# KiCad board psc_daughter_brd.kicad_pcb
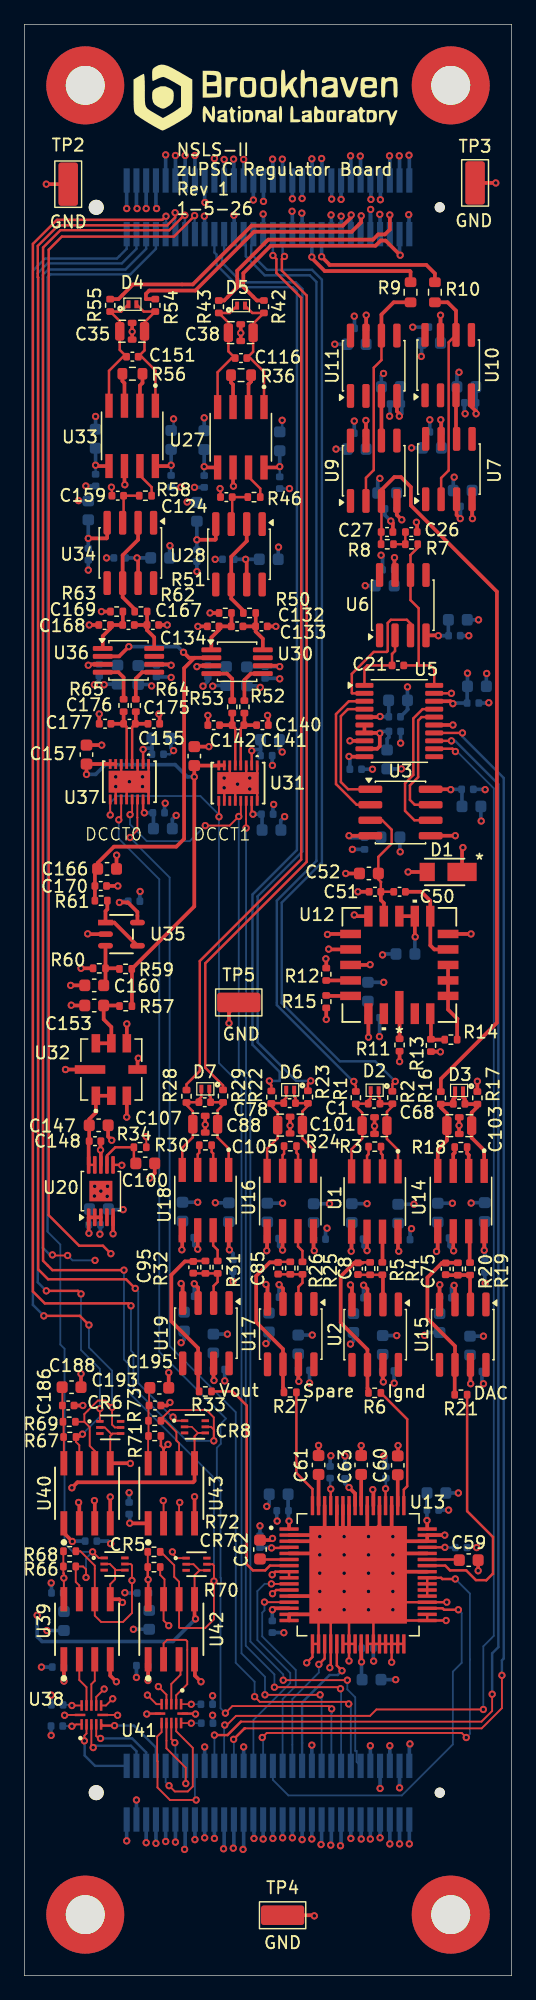
[diagram p0: board, top side]
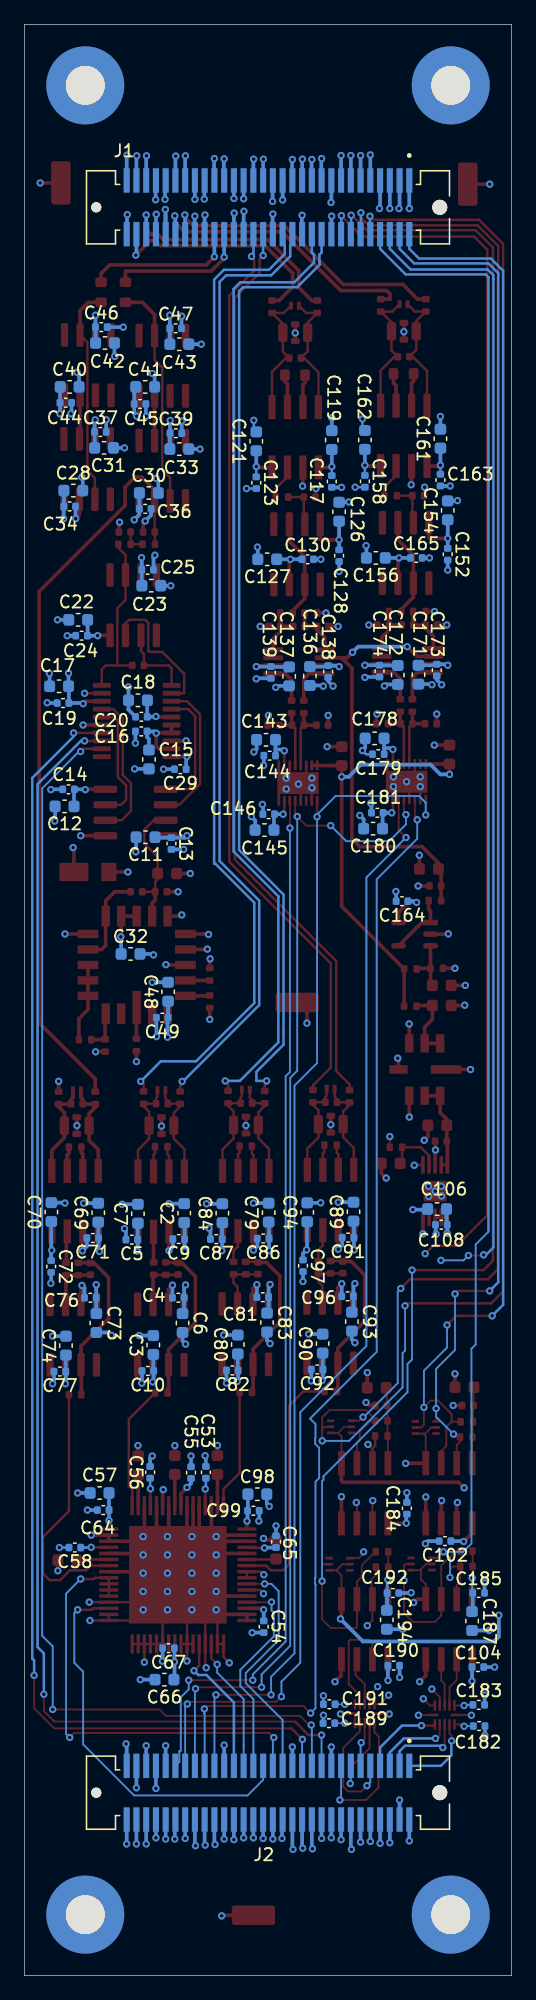
[diagram p1: board, bottom side, seen from below]

Outline 40 x 160 mm; copper layers: F.Cu - L1-sig, In1.Cu - L2-gnd (plane), In2.Cu - L3-sig, In3.Cu - L4-gnd (plane), In4.Cu - L5-pwr (plane), In5.Cu - L6-pwr, In6.Cu - L7-gnd (plane), In7.Cu - L8-sig, In8.Cu - L9-gnd, B.Cu - L10-sig. Coordinates in mm from the lower left corner of the outline.
Outline path: 0,160 40,160 40,0 0,0 0,160
Stack: F.Cu - L1-sig 0.035mm / dielectric 0.1mm FR4 er 4.5 / In1.Cu - L2-gnd 0.035mm / dielectric 0.1825mm FR4 er 4.5 / In2.Cu - L3-sig 0.035mm / dielectric 0.1mm FR4 er 4.5 / In3.Cu - L4-gnd 0.035mm / dielectric 0.1825mm FR4 er 4.5 / In4.Cu - L5-pwr 0.035mm / dielectric 0.1mm FR4 er 4.5 / In5.Cu - L6-pwr 0.035mm / dielectric 0.1825mm FR4 er 4.5 / In6.Cu - L7-gnd 0.035mm / dielectric 0.1mm FR4 er 4.5 / In7.Cu - L8-sig 0.035mm / dielectric 0.1825mm FR4 er 4.5 / In8.Cu - L9-gnd 0.035mm / dielectric 0.1mm FR4 er 4.5 / B.Cu - L10-sig 0.035mm

## Placement (name value [footprint] x y rotation side)
C1  220pF  [C_0402_1005Metric]  28.71 71.5 0 top
C2  10uF  [C_0603_1608Metric]  26.88 62.53 90 bottom
C3  10uF  [C_0603_1608Metric]  29.41 51.71 90 bottom
C4  0.1uF  [C_0402_1005Metric]  27.37 55.59 0 bottom
C5  0.1uF  [C_0402_1005Metric]  31.18 60.35 0 bottom
C6  10uF  [C_0603_1608Metric]  27.01 53.51 270 bottom
C7  10uF  [C_0603_1608Metric]  30.68 62.47 90 bottom
C8  4700pF  [C_0402_1005Metric]  27.38 57.97 90 top
C9  0.1uF  [C_0402_1005Metric]  27.33 60.4 0 bottom
C10  0.1uF  [C_0402_1005Metric]  29.87 49.59 0 bottom
C11  10uF  [C_0603_1608Metric]  30.05 93.35 0 bottom
C12  10uF  [C_0603_1608Metric]  36.7 95.88 0 bottom
C13  0.1uF  [C_0402_1005Metric]  27.93 92.83 270 bottom
C14  0.1uF  [C_0402_1005Metric]  36.38 97.28 0 bottom
C15  10uF  [C_0603_1608Metric]  29.78 99.72 270 bottom
C16  0.1uF  [C_0402_1005Metric]  30.41 102.03 0 bottom
C17  10uF  [C_0603_1608Metric]  37.15 105.72 0 bottom
C18  10uF  [C_0603_1608Metric]  30.68 104.58 0 bottom
C19  0.1uF  [C_0402_1005Metric]  36.82 104.35 0 bottom
C20  0.1uF  [C_0402_1005Metric]  30.4 103.22 0 bottom
C21  10pF  [C_0402_1005Metric]  30.66 107.43 180 top
C22  10uF  [C_0603_1608Metric]  35.58 111.17 0 bottom
C23  10uF  [C_0603_1608Metric]  29.58 113.97 180 bottom
C24  0.1uF  [C_0402_1005Metric]  35.3 109.88 0 bottom
C25  0.1uF  [C_0402_1005Metric]  29.88 115.28 180 bottom
C26  10pF  [C_0402_1005Metric]  31.76 118.38 0 top
C27  10pF  [C_0402_1005Metric]  29.77 118.38 0 top
C28  10uF  [C_0603_1608Metric]  35.98 121.78 180 bottom
C29  0.1uF  [C_0402_1005Metric]  27.2 98.92 0 bottom
C30  10uF  [C_0603_1608Metric]  29.78 121.58 180 bottom
C31  10uF  [C_0603_1608Metric]  33.46 125.28 180 bottom
C32  1uF  [C_0603_1608Metric]  31.28 83.78 180 bottom
C33  10uF  [C_0603_1608Metric]  27.28 125.17 180 bottom
C34  0.1uF  [C_0402_1005Metric]  36.28 120.47 180 bottom
C35  2200pF  [EMCT101W222M1GV001E]  8.85 134.84 180 top
C36  0.1uF  [C_0402_1005Metric]  30.08 120.28 180 bottom
C37  0.1uF  [C_0402_1005Metric]  33.76 126.58 180 bottom
C38  2200pF  [EMCT101W222M1GV001E]  17.76 134.72 180 top
C39  0.1uF  [C_0402_1005Metric]  27.56 126.47 180 bottom
C40  10uF  [C_0603_1608Metric]  36.28 130.28 180 bottom
C41  10uF  [C_0603_1608Metric]  30.08 130.28 180 bottom
C42  10uF  [C_0603_1608Metric]  33.38 133.88 180 bottom
C43  10uF  [C_0603_1608Metric]  27.28 133.78 180 bottom
C44  0.1uF  [C_0402_1005Metric]  36.6 128.97 180 bottom
C45  0.1uF  [C_0402_1005Metric]  30.5 128.88 180 bottom
C46  0.1uF  [C_0402_1005Metric]  33.68 135.18 180 bottom
C47  0.1uF  [C_0402_1005Metric]  27.58 135.07 180 bottom
C48  10uF  [C_0603_1608Metric]  28.2 80.67 90 bottom
C49  0.1uF  [C_0402_1005Metric]  28.68 78.55 0 bottom
C50  0.1uF  [C_0402_1005Metric]  30.8 88.88 0 top
C51  0.1uF  [C_0402_1005Metric]  28.78 88.88 180 top
C52  10uF  [C_0603_1608Metric]  28.28 90.38 180 top
C53  0.1uF  [C_0402_1005Metric]  25.1 41.27 90 bottom
C54  0.1uF  [C_0402_1005Metric]  20.35 28.61 270 bottom
C55  0.1uF  [C_0402_1005Metric]  26.32 41.25 90 bottom
C56  0.1uF  [C_0402_1005Metric]  29.68 41.27 90 bottom
C57  10uF  [C_0603_1608Metric]  33.82 39.57 0 bottom
C58  0.1uF  [C_0402_1005Metric]  35.85 35.1 0 bottom
C59  10uF  [C_0603_1608Metric]  36.47 34.07 0 top
C60  10uF  [C_0603_1608Metric]  30.65 41.84 90 top
C61  10uF  [C_0603_1608Metric]  24.15 41.87 90 top
C62  10uF  [C_0603_1608Metric]  19.34 34.94 90 top
C63  10uF  [C_0603_1608Metric]  27.65 41.87 90 top
C64  0.1uF  [C_0402_1005Metric]  33.53 38.18 0 bottom
C65  0.1uF  [C_0402_1005Metric]  19.34 35.58 90 bottom
C66  10uF  [C_0603_1608Metric]  28.5 24.27 0 bottom
C67  0.1uF  [C_0402_1005Metric]  28.17 26.85 0 bottom
C68  220pF  [C_0402_1005Metric]  35.69 71.48 0 top
C69  10uF  [C_0603_1608Metric]  33.94 62.56 90 bottom
C70  10uF  [C_0603_1608Metric]  37.78 62.61 90 bottom
C71  0.1uF  [C_0402_1005Metric]  34.38 60.49 0 bottom
C72  0.1uF  [C_0402_1005Metric]  37.8 58.15 270 bottom
C73  10uF  [C_0603_1608Metric]  34.09 53.51 270 bottom
C74  10uF  [C_0603_1608Metric]  36.59 51.66 90 bottom
C75  4700pF  [C_0402_1005Metric]  34.59 57.96 90 top
C76  0.1uF  [C_0402_1005Metric]  34.59 55.59 0 bottom
C77  0.1uF  [C_0402_1005Metric]  37.09 49.53 0 bottom
C78  220pF  [C_0402_1005Metric]  21.78 71.54 0 top
C79  10uF  [C_0603_1608Metric]  19.94 62.57 90 bottom
C80  10uF  [C_0603_1608Metric]  22.48 51.75 90 bottom
C81  0.1uF  [C_0402_1005Metric]  20.43 55.63 0 bottom
C82  0.1uF  [C_0402_1005Metric]  22.93 49.63 0 bottom
C83  10uF  [C_0603_1608Metric]  20.08 53.55 270 bottom
C84  10uF  [C_0603_1608Metric]  23.75 62.52 90 bottom
C85  4700pF  [C_0402_1005Metric]  20.83 58.01 90 top
C86  0.1uF  [C_0402_1005Metric]  20.4 60.44 0 bottom
C87  0.1uF  [C_0402_1005Metric]  24.25 60.39 0 bottom
C88  220pF  [C_0402_1005Metric]  14.81 71.62 0 top
C89  10uF  [C_0603_1608Metric]  12.98 62.64 90 bottom
C90  10uF  [C_0603_1608Metric]  15.51 51.83 90 bottom
C91  0.1uF  [C_0402_1005Metric]  13.43 60.52 0 bottom
C92  0.1uF  [C_0402_1005Metric]  15.97 49.7 0 bottom
C93  10uF  [C_0603_1608Metric]  13.12 53.63 270 bottom
C94  10uF  [C_0603_1608Metric]  16.78 62.59 90 bottom
C95  4700pF  [C_0402_1005Metric]  13.87 58.08 90 top
C96  0.1uF  [C_0402_1005Metric]  13.47 55.7 0 bottom
C97  0.1uF  [C_0402_1005Metric]  17.12 58.21 270 bottom
C98  10uF  [C_0603_1608Metric]  20.88 39.47 180 bottom
C99  0.1uF  [C_0402_1005Metric]  21.2 38.12 180 bottom
C100  10uF  [C_0603_1608Metric]  9.93 66.6 0 top
C101  2200pF  [EMCT101W222M1GV001E]  28.75 69.7 0 top
C102  0.1uF  [C_0402_1005Metric]  5.47 35.63 0 bottom
C103  2200pF  [EMCT101W222M1GV001E]  35.7 69.7 0 top
C104  0.1uF  [C_0402_1005Metric]  2.77 25.3 180 bottom
C105  2200pF  [EMCT101W222M1GV001E]  21.81 69.74 0 top
C106  10uF  [C_0603_1608Metric]  6.12 62.86 0 bottom
C107  2200pF  [EMCT101W222M1GV001E]  14.85 69.82 0 top
C108  0.1uF  [C_0402_1005Metric]  5.77 61.57 0 bottom
C116  3300pF  [C_0402_1005Metric]  17.78 132.64 180 top
C117  0.1uF  [C_0402_1005Metric]  14.76 122.52 270 bottom
C119  10uF  [C_0603_1608Metric]  14.76 125.91 90 bottom
C121  10uF  [C_0603_1608Metric]  20.96 125.81 90 bottom
C123  0.1uF  [C_0402_1005Metric]  20.96 122.42 270 bottom
C124  0.01uF  [C_0402_1005Metric]  16.58 121.24 180 top
C126  10uF  [C_0603_1608Metric]  14.16 120.04 90 bottom
C127  10uF  [C_0603_1608Metric]  20.06 116.14 0 bottom
C128  0.1uF  [C_0402_1005Metric]  14.16 116.44 270 bottom
C130  0.1uF  [C_0402_1005Metric]  16.74 116.14 180 bottom
C132  6800pF  [C_0402_1005Metric]  19.46 110.64 180 top
C133  3300pF  [C_0402_1005Metric]  17.46 110.64 180 top
C134  6800pF  [C_0402_1005Metric]  15.5 110.64 180 top
C136  10uF  [C_0603_1608Metric]  16.56 106.56 270 bottom
C137  10uF  [C_0603_1608Metric]  18.26 106.54 270 bottom
C138  0.1uF  [C_0402_1005Metric]  15.06 106.94 270 bottom
C139  0.1uF  [C_0402_1005Metric]  19.76 106.86 270 bottom
C140  6800pF  [C_0402_1005Metric]  19.54 102.54 180 top
C141  3300pF  [C_0402_1005Metric]  17.54 102.54 180 top
C142  6800pF  [C_0402_1005Metric]  15.54 102.54 180 top
C143  10uF  [C_0603_1608Metric]  20.16 101.34 0 bottom
C144  0.1uF  [C_0402_1005Metric]  19.86 100.04 0 bottom
C145  10uF  [C_0603_1608Metric]  20.29 93.94 0 bottom
C146  0.1uF  [C_0402_1005Metric]  19.94 95.24 0 bottom
C147  10uF  [C_0603_1608Metric]  6.1 69.72 0 top
C148  0.1uF  [C_0402_1005Metric]  5.8 68.42 0 top
C151  3300pF  [C_0402_1005Metric]  8.87 132.75 180 top
C152  0.1uF  [C_0402_1005Metric]  5.25 116.55 270 bottom
C153  10uF  [C_0603_1608Metric]  5.74 79.55 180 top
C154  10uF  [C_0603_1608Metric]  5.25 120.15 90 bottom
C155  10uF  [C_0603_1608Metric]  13.95 100 90 top
C156  10uF  [C_0603_1608Metric]  11.15 116.25 0 bottom
C157  10uF  [C_0603_1608Metric]  5.1 100.12 90 top
C158  0.1uF  [C_0402_1005Metric]  12.05 122.53 270 bottom
C159  0.01uF  [C_0402_1005Metric]  7.67 121.35 180 top
C160  10uF  [C_0603_1608Metric]  5.74 81.2 180 top
C161  10uF  [C_0603_1608Metric]  5.85 126.03 90 bottom
C162  10uF  [C_0603_1608Metric]  12.05 125.93 90 bottom
C163  0.1uF  [C_0402_1005Metric]  5.85 122.63 270 bottom
C164  0.1uF  [C_0402_1005Metric]  9 88.1 0 bottom
C165  0.1uF  [C_0402_1005Metric]  7.83 116.25 180 bottom
C166  10uF  [C_0603_1608Metric]  6.79 90.75 0 top
C167  6800pF  [C_0402_1005Metric]  10.55 110.75 180 top
C168  3300pF  [C_0402_1005Metric]  8.55 110.75 180 top
C169  6800pF  [C_0402_1005Metric]  6.59 110.75 180 top
C170  0.1uF  [C_0402_1005Metric]  6.27 89.35 0 top
C171  10uF  [C_0603_1608Metric]  7.65 106.68 270 bottom
C172  10uF  [C_0603_1608Metric]  9.35 106.65 270 bottom
C173  0.1uF  [C_0402_1005Metric]  6.15 107.05 270 bottom
C174  0.1uF  [C_0402_1005Metric]  10.85 106.97 270 bottom
C175  6800pF  [C_0402_1005Metric]  10.63 102.65 180 top
C176  3300pF  [C_0402_1005Metric]  8.63 102.65 180 top
C177  6800pF  [C_0402_1005Metric]  6.63 102.65 180 top
C178  10uF  [C_0603_1608Metric]  11.25 101.45 0 bottom
C179  0.1uF  [C_0402_1005Metric]  10.95 100.15 0 bottom
C180  10uF  [C_0603_1608Metric]  11.37 94.05 0 bottom
C181  0.1uF  [C_0402_1005Metric]  11.03 95.35 0 bottom
C182  0.1uF  [C_0402_1005Metric]  2.67 20.47 180 bottom
C183  0.1uF  [C_0402_1005Metric]  2.7 22.2 180 bottom
C184  0.1uF  [C_0402_1005Metric]  8.6 38.32 90 bottom
C185  0.1uF  [C_0402_1005Metric]  2.71 31.38 180 bottom
C186  0.1uF  [C_0402_1005Metric]  3.6 46.75 0 top
C187  10uF  [C_0603_1608Metric]  3.25 29.07 270 bottom
C188  10uF  [C_0603_1608Metric]  3.88 48.25 0 top
C189  0.1uF  [C_0402_1005Metric]  15 20.7 0 bottom
C190  0.1uF  [C_0402_1005Metric]  9.68 25.42 180 bottom
C191  0.1uF  [C_0402_1005Metric]  14.97 22.25 0 bottom
C192  0.1uF  [C_0402_1005Metric]  9.74 31.37 180 bottom
C193  0.1uF  [C_0402_1005Metric]  10.72 46.75 0 top
C194  10uF  [C_0603_1608Metric]  10.25 29.18 270 bottom
C195  10uF  [C_0603_1608Metric]  11.07 48.2 0 top
CR5  SP3006-02XTG  [SOT563_LTF]  7.4 33.75 0 top
CR6  SP3006-02XTG  [SOT563_LTF]  7.05 44.95 0 top
CR7  SP3006-02XTG  [SOT563_LTF]  14.13 33.73 0 top
CR8  SP3006-02XTG  [SOT563_LTF]  14 45 0 top
D1  DFLS130-7  [DFLS130-7_DIO]  34.5 90.5 180 top
D2  SP3118-01ETG  [sp3118-01etg]  28.75 72.6 180 top
D3  SP3118-01ETG  [sp3118-01etg]  35.69 72.58 180 top
D4  SP3118-01ETG  [sp3118-01etg]  8.87 137.05 0 top
D5  SP3118-01ETG  [sp3118-01etg]  17.79 136.94 0 top
D6  SP3118-01ETG  [sp3118-01etg]  21.82 72.64 180 top
D7  SP3118-01ETG  [sp3118-01etg]  14.85 72.72 180 top
G***  LOGO  [bnl_logo]  20.77 153.83 0 top
J1  61082-061400LF  [AMPHENOL_61082-061400LF]  20 145 180 bottom
J2  61082-061400LF  [AMPHENOL_61082-061400LF]  20 15 180 bottom
MT1  MountingHole_Pad  [MountingHole_3.2mm_M3_Pad_TopBottom]  5 155 0 top
MT2  MountingHole_Pad  [MountingHole_3.2mm_M3_Pad_TopBottom]  5 5 0 top
MT3  MountingHole_Pad  [MountingHole_3.2mm_M3_Pad_TopBottom]  35 5 0 top
MT4  MountingHole_Pad  [MountingHole_3.2mm_M3_Pad_TopBottom]  35 155 0 top
R1  1.0K  [R_0402_1005Metric]  27.21 71.99 90 top
R2  1.0K  [R_0402_1005Metric]  30.21 72 90 top
R3  10  [R_0402_1005Metric]  28.76 67.97 180 top  (not fitted)
R4  10K  [R_0402_1005Metric]  29.38 57.97 90 top
R5  10K  [R_0402_1005Metric]  28.38 57.97 270 top
R6  10  [R_0402_1005Metric]  28.75 47.78 180 top
R7  5.11K  [R_0402_1005Metric]  31.78 117.38 180 top
R8  5.11K  [R_0402_1005Metric]  29.79 117.38 180 top
R9  100  [R_0603_1608Metric]  31.7 138.03 90 top
R10  100  [R_0603_1608Metric]  33.7 138.03 90 top
R11  120  [R_0402_1005Metric]  30.8 76.31 90 top
R12  10  [R_0402_1005Metric]  24.78 82.11 270 top
R13  63K  [R_0402_1005Metric]  33.38 76.28 90 top  (not fitted)
R14  78.7K  [R_0402_1005Metric]  35.01 76.75 180 top
R15  0  [R_0402_1005Metric]  24.78 79.86 270 top
R16  1.0K  [R_0402_1005Metric]  34.19 71.97 90 top
R17  1.0K  [R_0402_1005Metric]  37.19 71.97 90 top
R18  10  [R_0402_1005Metric]  35.84 67.94 180 top  (not fitted)
R19  10K  [R_0402_1005Metric]  36.59 57.96 90 top
R20  10K  [R_0402_1005Metric]  35.59 57.94 270 top
R21  10  [R_0402_1005Metric]  35.84 47.63 180 top
R22  1.0K  [R_0402_1005Metric]  20.28 72.03 90 top
R23  1.0K  [R_0402_1005Metric]  23.28 72.04 90 top
R24  10  [R_0402_1005Metric]  21.83 68.02 180 top  (not fitted)
R25  10K  [R_0402_1005Metric]  22.83 58.02 90 top
R26  10K  [R_0402_1005Metric]  21.83 58.02 270 top
R27  10  [R_0402_1005Metric]  21.82 47.83 180 top
R28  1.0K  [R_0402_1005Metric]  13.31 72.11 90 top
R29  1.0K  [R_0402_1005Metric]  16.31 72.12 90 top
R30  10  [R_0402_1005Metric]  14.87 68.09 180 top  (not fitted)
R31  10K  [R_0402_1005Metric]  15.87 58.09 90 top
R32  10K  [R_0402_1005Metric]  14.87 58.09 270 top
R33  10  [R_0402_1005Metric]  14.85 47.9 180 top
R34  121K  [R_0402_1005Metric]  9.5 67.92 180 top
R36  665  [R_0603_1608Metric]  17.79 131.24 180 top
R42  1.0K  [R_0402_1005Metric]  19.66 136.85 90 top
R43  1.0K  [R_0402_1005Metric]  15.96 136.85 90 top
R46  1.3K  [R_0402_1005Metric]  18.85 121.24 0 top
R50  10  [R_0402_1005Metric]  18.48 111.74 180 top
R51  15  [R_0402_1005Metric]  16.49 111.74 180 top
R52  30.1  [R_0402_1005Metric]  18.06 104.04 90 top
R53  30.1  [R_0402_1005Metric]  17.06 104.04 90 top
R54  1.0K  [R_0402_1005Metric]  10.75 136.96 90 top
R55  1.0K  [R_0402_1005Metric]  7.05 136.96 90 top
R56  665  [R_0603_1608Metric]  8.87 131.35 180 top
R57  0  [R_0402_1005Metric]  8.32 79.5 180 top
R58  1.3K  [R_0402_1005Metric]  9.94 121.35 0 top
R59  10K  [R_0402_1005Metric]  8.31 82.55 0 top
R60  10K  [R_0402_1005Metric]  6.15 82.6 180 top
R61  10  [R_0402_1005Metric]  6.3 88.15 0 top
R62  10  [R_0402_1005Metric]  9.57 111.85 180 top
R63  15  [R_0402_1005Metric]  7.58 111.85 180 top
R64  30.1  [R_0402_1005Metric]  9.15 104.15 90 top
R65  30.1  [R_0402_1005Metric]  8.15 104.15 90 top
R66  2.49K  [R_0402_1005Metric]  3.71 33.55 180 top
R67  2.49K  [R_0402_1005Metric]  3.73 44.17 180 top
R68  2.49K  [R_0402_1005Metric]  3.72 34.8 180 top
R69  2.49K  [R_0402_1005Metric]  3.68 45.42 180 top
R70  2.49K  [R_0402_1005Metric]  10.64 33.5 180 top
R71  2.49K  [R_0402_1005Metric]  10.7 44.25 180 top
R72  2.49K  [R_0402_1005Metric]  10.64 34.75 180 top
R73  2.49K  [R_0402_1005Metric]  10.7 45.5 180 top
TP2  GND  [TestPoint_RCS-0C]  3.6 146.9 90 top
TP3  GND  [TestPoint_RCS-0C]  37 147 90 top
TP4  GND  [TestPoint_RCS-0C]  21.2 4.95 0 top
TP5  GND  [TestPoint_RCS-0C]  17.6 79.8 0 top
U1  AD8221  [SOIC127P600X175-8N]  28.76 63.47 270 top
U2  OPA277  [SOIC-8_3.9x4.9mm_P1.27mm]  28.8 52.56 270 top
U3  AD8676ARZ  [SOIC-8_3.9x4.9mm_P1.27mm]  30.88 95.38 0 top
U5  AD5791BRUZ  [TSSOP-20_4.4x6.5mm_P0.65mm]  30.78 102.88 0 top
U6  AD797ARZ  [SOIC-8_3.9x4.9mm_P1.27mm]  31.06 112.38 90 top
U7  OPA277  [SOIC-8_3.9x4.9mm_P1.27mm]  34.85 123.53 90 top
U9  OPA277  [SOIC-8_3.9x4.9mm_P1.27mm]  28.68 123.4 90 top
U10  BUF634AIDR  [SOIC-8_3.9x4.9mm_P1.27mm]  34.8 132.06 90 top
U11  BUF634AIDR  [SOIC-8_3.9x4.9mm_P1.27mm]  28.68 132.01 90 top
U12  ADR1001AEZ  [E-20-1_ADI]  30.78 82.88 180 top
U13  ADS8568SPM  [QFP50P1200X1200X160-64N]  27.4 32.87 0 top
U14  AD8221  [SOIC127P600X175-8N]  35.84 63.51 270 top
U15  OPA277  [SOIC-8_3.9x4.9mm_P1.27mm]  35.99 52.56 270 top
U16  AD8221  [SOIC127P600X175-8N]  21.83 63.52 270 top
U17  OPA277  [SOIC-8_3.9x4.9mm_P1.27mm]  21.87 52.6 270 top
U18  AD8221  [SOIC127P600X175-8N]  14.87 63.59 270 top
U19  OPA277  [SOIC-8_3.9x4.9mm_P1.27mm]  14.9 52.68 270 top
U20  LT3042xMSE  [MSOP-10-1EP_3x3mm_P0.5mm_EP1.68x1.88mm]  6.28 64.33 90 top
U27  AD8429BRZ  [SOIC127P600X175-8N]  17.77 126.14 270 top
U28  AD8675ARZ  [SOIC-8_3.9x4.9mm_P1.27mm]  17.62 116.55 270 top
U30  LTC6363IMS8  [MSOP-8_3x3mm_P0.65mm]  17.46 107.74 0 top
U31  LTC2376CDE-20  [DFN-16_DE_LIT]  17.54 97.79 270 top
U32  LTC6655BHLS8-5  [LTC6655]  7.14 74.3 90 top
U33  AD8429BRZ  [SOIC127P600X175-8N]  8.85 126.26 270 top
U34  AD8675ARZ  [SOIC-8_3.9x4.9mm_P1.27mm]  8.7 116.66 270 top
U35  -  [LT6202CS5]  7.97 85.4 0 top
U36  LTC6363IMS8  [MSOP-8_3x3mm_P0.65mm]  8.55 107.85 0 top
U37  LTC2376CDE-20  [DFN-16_DE_LIT]  8.62 97.9 270 top
U38  TXUN0104RUTR  [PQFP12_RUT_TEX]  5.5 21.37 90 top
U39  ADUM5240ARZ  [R_8_ADI]  5.15 28.4 90 top
U40  ADUM5240ARZ  [R_8_ADI]  5.15 39.55 90 top
U41  TXUN0104RUTR  [PQFP12_RUT_TEX]  12.06 21.48 270 top
U42  ADUM5242ARZ  [R_8_ADI]  12.06 28.4 90 top
U43  ADUM5242ARZ  [R_8_ADI]  12.06 39.55 90 top

## Library data of the parts
C1 C68 C78 C88 = -: Description: CAP CER 220PF 50V X7R 0402; Cost: .01; MFG: Kemet; MFG_PN: C0402C221K5RACTU; ki_fp_filters: C_*
C2 C3 C6 C7 C11 C12 C15 C17 C18 C22 C23 C28 C30 C31 C33 C40-C43 C48 C52 C57 C59-C63 C66 C69 C70 C73 C74 C79 C80 C83 C84 C89 C90 C93 C94 C98 C100 C106 C119 C121 C126 C127 C136 C137 C143 C145 C147 C153-C157 C160-C162 C166 C171 C172 C178 C180 C187 C188 C194 C195 = -: Description: CAP CER 10UF 25V X5R 0603; Voltage: 25V; MFG: Samsung; MFG_PN: CL10A106MA8NRNC; ki_fp_filters: C_*
C4 C5 C9 C10 C13 C14 C16 C19 C20 C24 C25 C29 C34 C36 C37 C39 C44-C47 C49-C51 C53-C56 C58 C64 C65 C67 C71 C72 C76 C77 C81 C82 C86 C87 C91 C92 C96 C97 C99 C102 C104 C108 C117 C123 C128 C130 C138 C139 C144 C146 C148 C152 C158 C163-C165 C170 C173 C174 C179 C181-C186 C189-C193 = -: Description: CAP CER 0.1UF 25V X5R 0402; MFG: Taiyo Yuden; MFG_PN: TMK105BJ104KV-F; ki_fp_filters: C_*
C8 C75 C85 C95 = -: Description: CAP CER 4700PF 50V X7R 0402; MFG: Samsung; MFG_PN: CL05B472KB5NNNC; ki_fp_filters: C_*
C21 C26 C27 = -: Description: CAP CER 10PF 50V X7R 0402; Type: NPO; MFG: Kemet; MFG_PN: C0402C100K5RACTU; ki_fp_filters: C_*
C32 = -: Description: CAP CER 1UF 25V X7R 0603; Voltage: 25V; MFG: Samsung; MFG_PN: CL10B105KA8NNNC; Cost: .01; ki_fp_filters: C_*
C35 C38 C101 C103 C105 C107 = -: Description: CAP CER 2200PF 100V X7R 0805 FEED THROUGH; MFG: Johanson Dielectrics; MFG_PN: EMCT101W222M1GV001E; Cost: 0.22; ki_fp_filters: C_*
C116 C133 C141 C151 C168 C176 = -: Description: CAP CER 3300PF 50V X7R 0402; Cost: .01; MFG: Samsung; MFG_PN: CL05B332KB5NNNC; ki_fp_filters: C_*
C124 C159 = -: Description: CAP CER 0.01UF 50V X7R 0402; Cost: .01; MFG: Taiyo Yuden; MFG_PN: MBASU105SB7103KFNA18; ki_fp_filters: C_*
C132 C134 C140 C142 C167 C169 C175 C177 = -: Description: CAP CER 6800PF 50V X7R 0402; MFG: Samsung; MFG_PN: CAP CER 3300PF 50V X7R 0402; ki_fp_filters: C_*
CR5-CR8 = -: Description: TVS DIODE 6VWM 15VC SOT563; MFG: Littlefuse; Cost: 0.65; ki_fp_filters: SOT563_LTF SOT563_LTF-M SOT563_LTF-L
D1 = -: Description: DIODE SCHOTTK 30V 1A POWERDI 123; MFG: Diodes Inc.; Cost: 0.23; ki_fp_filters: TO-???* *_Diode_* *SingleDiode* D_*
D2-D7 = -: Description: TVS DIODE 18VWM 38VC SOD882; Cost: 0.24; MFG: Littlefuse; ki_fp_filters: TO-???* *_Diode_* *SingleDiode* D_*
J1 J2 = -: Description: CONN RCPT 60POS SMD GOLD; PARTREV: AS; STANDARD: Manufacturer Recommendations; MAXIMUM_PACKAGE_HEIGHT: 4.00mm; MANUFACTURER: Amphenol; MFG: Amphenol; Cost: 2.53
MT1-MT4 = -: Description: Mounting Hole with connection; ki_fp_filters: MountingHole*Pad*
R1 R2 R16 R17 R22 R23 R28 R29 = -: Description: RES SMD 1K OHM 1% 1/10W 0402; Tolerance: 1%; MFG_PN: ERJ-2RKF1001X; Cost: .01; MFG: Panasonic; ki_fp_filters: R_*
R3 R18 R24 R30 = -: Description: RES SMD 10 OHM 1% 1/10W 0402; Tolerance: 1%; MFG: Panasonic; MFG_PN: ERJ-2RKF10R0X; ki_fp_filters: R_*
R4 R5 R19 R20 R25 R26 R31 R32 = -: Description: RES SMD 10K OHM 1% 1/10W 0402; Tolerance: 1%; Cost: .01; MFG_PN: ERJ-2RKF1002X; MFG: Panasonic; ki_fp_filters: R_*
R6 R12 R21 R27 R33 R61 = -: Description: RES SMD 10 OHM 1% 1/10W 0402; Tolerance: 1%; Cost: .01; MFG: Panasonic; MFG_PN: ERJ-2RKF10R0X; ki_fp_filters: R_*
R7 R8 = -: Description: RES SMD 5.11K OHM 1% 1/10W 0402; Tolerance: 1%; Cost: .01; MFG: Panasonic; MFG_PN: ERJ-2RKF5111X; ki_fp_filters: R_*
R9 R10 = -: Description: RES SMD 100 OHM 1% 1/3W 0603; Tolerance: 1%; Cost: .01; MFG_PN: ERJ-2RKF15R0X; MFG: Panasonic; ki_fp_filters: R_*
R11 = -: Description: RES SMD 120 OHM 1% 1/10W 0402; Tolerance: 1%; MFG: Panasonic; MFG_PN: ERJ-2RKF1200X; ki_fp_filters: R_*
R13 = -: Description: RES SMD 63.4K OHM 1% 1/10W 0402; Tolerance: 1%; MFG: Panasonic; MFG_PN: ERJ-2RKF6342X; ki_fp_filters: R_*
R14 = -: Description: RES SMD 78.7K OHM 1% 1/10W 0402; Tolerance: 1%; MFG: Panasonic; MFG_PN: ERJ-2RKF7872X; ki_fp_filters: R_*
R15 R57 = -: Description: RES SMD 0 OHM JUMPER 1/10W 0402; Tolerance: 1%; MFG: Panasonic; MFG_PN: ERJ-2GE0R00X; ki_fp_filters: R_*
R34 = -: Description: RES SMD 121K OHM 1% 1/10W 0402; Tolerance: 1%; MFG: Panasonic; MFG_PN: ERJ-2RKF1213X; ki_fp_filters: R_*
R36 R56 = -: Description: RES 665 OHMS 0.1% 0.15W 0603; MFG: TE; MFG_PN: RQ73C1J665RBTD; PPM: 10ppm/C; Tol: 0.1%; Cost: .32; ki_fp_filters: R_*
R42 R43 R54 R55 = -: Description: RES SMD 1K OHM 1% 1/10W 0402; Tolerance: 1%; Cost: .01; MFG: Panasonic; MFG_PN: ERJ-2RKF1001X; ki_fp_filters: R_*
R46 R58 = -: Description: RES SMD 1.3K OHM 1% 1/10W 0402; Tolerance: 1%; Cost: .01; MFG: Panasonic; MFG_PN: ERJ-2RKF1301X; ki_fp_filters: R_*
R50 R62 = -: Description: RES SMD 10 OHM 1% 1/10W 0402; Tolerance: 0.1%; Cost: .01; MFG: Panasonic; MFG_PN: ERJ-2RKF10R0X; ki_fp_filters: R_*
R51 R63 = -: Description: RES SMD 15 OHM 1% 1/10W 0402; Tolerance: 0.1%; Cost: .01; MFG: Panasonic; MFG_PN: ERJ-2RKF15R0X; ki_fp_filters: R_*
R52 R53 R64 R65 = -: Description: RES SMD 30.1 OHM 1% 1/10W 0402; Tolerance: 1%; Cost: .01; MFG: Panasonic; MFG_PN: ERJ-2RKF30R1X; ki_fp_filters: R_*
R59 R60 = -: Description: RES SMD 10K OHM 1% 1/10W 0402; Tolerance: 0.1%; Cost: .01; MFG_PN: ERJ-2RKF1002X; MFG: Panasonic; ki_fp_filters: R_*
R66-R73 = -: Description: RES SMD 2.49K OHM 1% 1/10W 0402; Tolerance: 1%; Cost: .01; MFG: Panasonic; MFG_PN: ERJ-2RKF2491X; ki_fp_filters: R_*
TP2-TP5 = -: Description: PC TEST POINT NATURAL; MFG: TE; MFG_PN: RCS-0C; Cost: 0.23; ki_fp_filters: Pin* Test*
U1 U14 U16 U18 = -: Datasheet: https://www.analog.com/media/en/technical-documentation/data-sheets/AD8236.pdf; Description: IC INST AMP 1 CIRCUIT 8SOIC; MFG: Analog Devices; MFG_PN: AD8221BRZ; Cost: 10.23; ki_fp_filters: SOIC*3.9x4.9mm*P1.27mm* MSOP*3x3mm*P0.65mm*
U2 U7 U9 U15 U17 U19 = -: Datasheet: https://www.ti.com/product/OPA277; Description: IC OPAMP GP 1 CIRCUIT 8SOIC; Cost: 2.66; MFG: Analog Devices; MFG_PN: OPA277UA/2K5
U3 = -: Datasheet: https://www.analog.com/media/en/technical-documentation/data-sheets/AD8676.pdf; Description: IC OPAMP GP 2 CIRCUIT 8SOIC; Cost: 3.93; MFG: Analog Devices; MFG_PN: AD8676ARZ-REEL7; ki_fp_filters: SOIC*3.9x4.9mm*P1.27mm*
U5 = -: Datasheet: https://www.analog.com/media/en/technical-documentation/data-sheets/ad5791.pdf; Description: IC DAC 20BIT V-OUT 20TSSOP; Cost: 129.29; MFG: Analog Devices; ki_fp_filters: TSSOP*4.4?6.5mm*P0.65mm*
U6 = -: Datasheet: https://www.analog.com/media/en/technical-documentation/data-sheets/AD797.pdf; Description: IC OPAMP GP 1 CIRCUIT 8SOIC; Cost: 13.75; MFG: Analog Devices; ki_fp_filters: DIP*W7.62mm* SOIC*3.9x4.9mm*P1.27mm*
U10 U11 = -: Datasheet: https://www.ti.com/lit/ds/symlink/buf634a.pdf; Description: IC OPAMP GP 1 CIRCUIT 8SOIC; Cost: 2.99; MFG: Analog Devices; ki_fp_filters: SOIC*3.9x4.9mm*P1.27mm*
U12 = -: Description: IC VREF SERIES 5V 0.25% 20CLCC; Cost: 100.10; MFG: Analog Devices; ki_fp_filters: E-20-1_ADI E-20-1_ADI-M E-20-1_ADI-L
U13 = -: Description: IC ADC 16BIT SAR 64LQFP; Cost: 25.17; MFG: Analog Devices
U20 = -: Datasheet: https://www.analog.com/media/en/technical-documentation/data-sheets/3042fb.pdf; Description: IC REG LINEAR POS ADJ 10MSOP-EP; Cost: 4.96; MFG: Analog Devices; MFG_PN: LT3042EMSE#TRPBF; ki_fp_filters: MSOP*1EP*3x3mm*P0.5mm*
U27 U33 = -: Datasheet: https://www.analog.com/media/en/technical-documentation/data-sheets/AD8429.pdf; Description: IC INST AMP 1 CIRCUIT 8SOIC; Cost: 12.76; MFG: Analog Devices; ki_fp_filters: SOIC-8*
U28 U34 = -: Description: IC OPAMP GP 1 CIRCUIT 8SOIC; Cost: 2.88; MFG: Analog Devices; ki_fp_filters: TSOT*23*
U30 U36 = -: Datasheet: https://www.analog.com/media/en/technical-documentation/data-sheets/6362fa.pdf; Description: IC OPAMP DIFF 1 CIRCUIT 8MSOP; Cost: 7.61; MFG: Analog Devices; MFG_PN: LTC6363IMS8#TRPBF; ki_fp_filters: MSOP*3x3mm*P0.65mm*
U31 U37 = -: Datasheet: https://www.analog.com/media/en/technical-documentation/data-sheets/237820fb.pdf; Description: IC ADC 20BIT SAR 16DFN; Cost: 34.72; MFG: Analog Devices; MFG_PN: LTC2376CDE-20#PBF; ki_fp_filters: DFN-16_DE_LIT DFN-16_DE_LIT-M DFN-16_DE_LIT-L
U32 = -: Description: IC VREF SERIES 0.025% 8CLCC; Cost: 14.02; MFG: Analog Devices; MFG_PN: LTC6655BHLS8-5#PBF; ki_fp_filters: *DSBGA*0.705x1.468mm*P0.4mm*
U35 = -: Description: IC OPAMP GP 1 CIRCUIT TSOT23-5; Cost: 3.79; MFG: Analog Devices; MFG_PN: LT6202CS5#TRPBF
U38 U41 = -: Datasheet: https://www.ti.com/lit/gpn/txu0104; Description: IC XLTR VL UNIDIR 12-UQFN; Cost: .77; MFG: TI; ki_fp_filters: PQFP12_RUT_TEX PQFP12_RUT_TEX-M PQFP12_RUT_TEX-L
U39 U40 = -: Datasheet: https://www.analog.com/media/en/technical-documentation/data-sheets/ADUM5240_5241_5242.pdf; Description: DGTL ISOLTR 2.5KV 2CH GP 8-SOIC; MFG: Analog Devices; Cost: 6.81; ki_fp_filters: R_8_ADI R_8_ADI-M R_8_ADI-L
U42 U43 = -: Datasheet: https://www.analog.com/media/en/technical-documentation/data-sheets/ADUM5240_5241_5242.pdf; Description: DGTL ISOLTR 2.5KV 2CH GP 8-SOIC; Cost: 6.81; MFG: Analog Devices; ki_fp_filters: R_8_ADI R_8_ADI-M R_8_ADI-L
